# KiCad board washington-metro-pcb.kicad_pcb (continued)
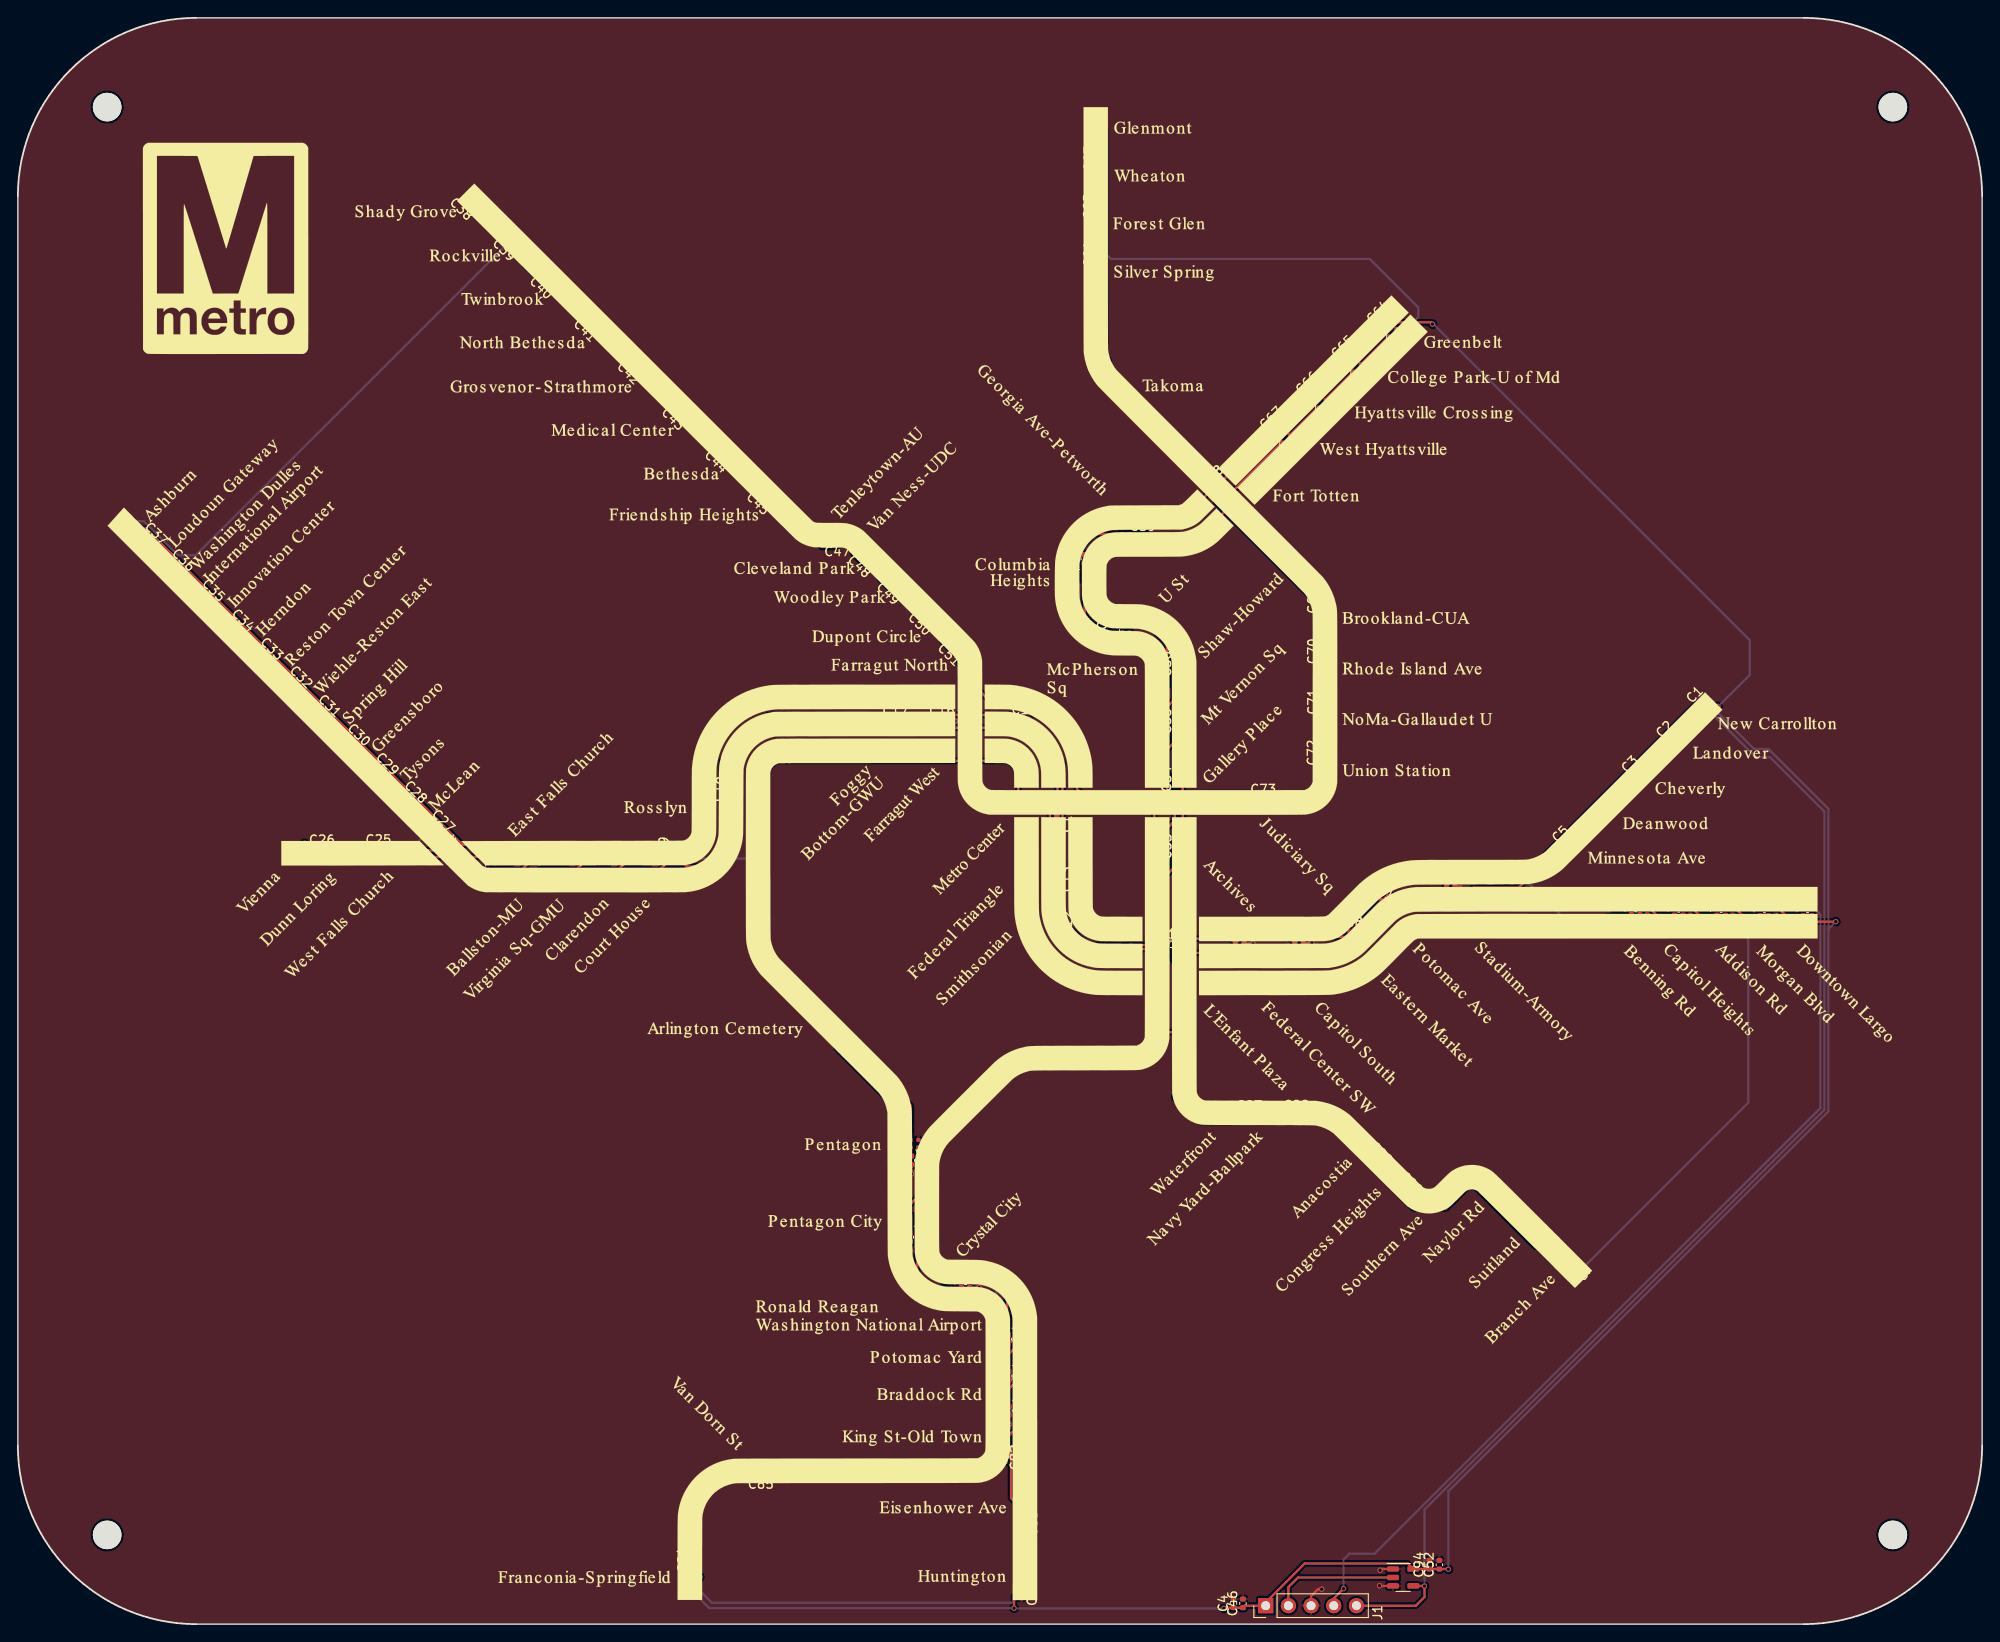
[diagram p0: board, top side]
## Nets
+5V: C1.1 C2.1 C3.1 C4.1 C5.1 C6.1 C7.1 C8.1 C9.1 C10.1 C11.1 C12.1 C13.1 C14.1 C15.1 C16.1 C17.1 C18.1 C19.1 C20.1 C21.1 C22.1 C23.1 C24.1 C25.1 C26.1 C27.1 C28.1 C29.1 C30.1 C31.1 C32.1 C33.1 C34.1 C35.1 C36.1 C37.1 C38.1 C39.1 C40.1 C41.1 C42.1 C43.1 C44.1 C45.1 C46.1 C47.1 C48.1 C49.1 C50.1 C51.1 C52.1 C53.1 C54.1 C55.1 C56.1 C57.1 C58.1 C59.1 C60.1 C61.1 C62.1 C63.1 C64.1 C65.1 C66.1 C67.1 C68.1 C69.1 C70.1 C71.1 C72.1 C73.1 C74.1 C75.1 C76.1 C77.1 C78.1 C79.1 C80.1 C81.1 C82.1 C83.1 C84.1 C85.1 C86.1 C87.1 C88.1 C89.1 C90.1 C91.1 C92.1 C93.1 C94.1 C95.1 C96.1 C97.1 C98.1 C99.1 CG.1 CR.1 J1.1 LED1.2 LED2.2 LED3.2 LED4.2 LED5.2 LED6.2 LED7.2 LED8.2 LED9.2 LED10.2 LED11.2 LED12.2 LED13.2 LED14.2 LED15.2 LED16.2 LED17.2 LED18.2 LED19.2 LED20.2 LED21.2 LED22.2 LED23.2 LED24.2 LED25.2 LED26.2 LED27.2 LED28.2 LED29.2 LED30.2 LED31.2 LED32.2 LED33.2 LED34.2 LED35.2 LED36.2 LED37.2 LED38.2 LED39.2 LED40.2 LED41.2 LED42.2 LED43.2 LED44.2 LED45.2 LED46.2 LED47.2 LED48.2 LED49.2 LED50.2 LED51.2 LED52.2 LED53.2 LED54.2 LED55.2 LED56.2 LED57.2 LED58.2 LED59.2 LED60.2 LED61.2 LED62.2 LED63.2 LED64.2 LED65.2 LED66.2 LED67.2 LED68.2 LED69.2 LED70.2 LED71.2 LED72.2 LED73.2 LED74.2 LED75.2 LED76.2 LED77.2 LED78.2 LED79.2 LED80.2 LED81.2 LED82.2 LED83.2 LED84.2 LED85.2 LED86.2 LED87.2 LED88.2 LED89.2 LED90.2 LED91.2 LED92.2 LED93.2 LED94.2 LED95.2 LED96.2 LED97.2 LED98.2 U1.5
GND: C1.2 C2.2 C3.2 C4.2 C5.2 C6.2 C7.2 C8.2 C9.2 C10.2 C11.2 C12.2 C13.2 C14.2 C15.2 C16.2 C17.2 C18.2 C19.2 C20.2 C21.2 C22.2 C23.2 C24.2 C25.2 C26.2 C27.2 C28.2 C29.2 C30.2 C31.2 C32.2 C33.2 C34.2 C35.2 C36.2 C37.2 C38.2 C39.2 C40.2 C41.2 C42.2 C43.2 C44.2 C45.2 C46.2 C47.2 C48.2 C49.2 C50.2 C51.2 C52.2 C53.2 C54.2 C55.2 C56.2 C57.2 C58.2 C59.2 C60.2 C61.2 C62.2 C63.2 C64.2 C65.2 C66.2 C67.2 C68.2 C69.2 C70.2 C71.2 C72.2 C73.2 C74.2 C75.2 C76.2 C77.2 C78.2 C79.2 C80.2 C81.2 C82.2 C83.2 C84.2 C85.2 C86.2 C87.2 C88.2 C89.2 C90.2 C91.2 C92.2 C93.2 C94.2 C95.2 C96.2 C97.2 C98.2 C99.2 CG.2 CR.2 J1.3 LED1.3 LED2.3 LED3.3 LED4.3 LED5.3 LED6.3 LED7.3 LED8.3 LED9.3 LED10.3 LED11.3 LED12.3 LED13.3 LED14.3 LED15.3 LED16.3 LED17.3 LED18.3 LED19.3 LED20.3 LED21.3 LED22.3 LED23.3 LED24.3 LED25.3 LED26.3 LED27.3 LED28.3 LED29.3 LED30.3 LED31.3 LED32.3 LED33.3 LED34.3 LED35.3 LED36.3 LED37.3 LED38.3 LED39.3 LED40.3 LED41.3 LED42.3 LED43.3 LED44.3 LED45.3 LED46.3 LED47.3 LED48.3 LED49.3 LED50.3 LED51.3 LED52.3 LED53.3 LED54.3 LED55.3 LED56.3 LED57.3 LED58.3 LED59.3 LED60.3 LED61.3 LED62.3 LED63.3 LED64.3 LED65.3 LED66.3 LED67.3 LED68.3 LED69.3 LED70.3 LED71.3 LED72.3 LED73.3 LED74.3 LED75.3 LED76.3 LED77.3 LED78.3 LED79.3 LED80.3 LED81.3 LED82.3 LED83.3 LED84.3 LED85.3 LED86.3 LED87.3 LED88.3 LED89.3 LED90.3 LED91.3 LED92.3 LED93.3 LED94.3 LED95.3 LED96.3 LED97.3 LED98.3 U1.1 U1.3
LED_IN: J1.2 U1.2
LED_OUT: J1.4 LED98.1
LED_ROW_ONE_IN: J1.5 LED1.4 U1.4
LED_ROW_ONE_OUT: LED30.1 LED31.4
LED_ROW_THREE_OUT: LED90.1 LED91.4
LED_ROW_TWO_OUT: LED60.1 LED61.4
Net-(LED1-DOUT): LED1.1 LED2.4
Net-(LED2-DOUT): LED2.1 LED3.4
Net-(LED3-DOUT): LED3.1 LED4.4
Net-(LED4-DOUT): LED4.1 LED5.4
Net-(LED5-DOUT): LED5.1 LED6.4
Net-(LED6-DOUT): LED6.1 LED7.4
Net-(LED7-DOUT): LED7.1 LED8.4
Net-(LED8-DOUT): LED8.1 LED9.4
Net-(LED10-DIN): LED9.1 LED10.4
Net-(LED10-DOUT): LED10.1 LED11.4
Net-(LED11-DOUT): LED11.1 LED12.4
Net-(LED12-DOUT): LED12.1 LED13.4
Net-(LED13-DOUT): LED13.1 LED14.4
Net-(LED14-DOUT): LED14.1 LED15.4
Net-(LED15-DOUT): LED15.1 LED16.4
Net-(LED16-DOUT): LED16.1 LED17.4
Net-(LED17-DOUT): LED17.1 LED18.4
Net-(LED18-DOUT): LED18.1 LED19.4
Net-(LED19-DOUT): LED19.1 LED20.4
Net-(LED20-DOUT): LED20.1 LED21.4
Net-(LED21-DOUT): LED21.1 LED22.4
Net-(LED22-DOUT): LED22.1 LED23.4
Net-(LED23-DOUT): LED23.1 LED24.4
Net-(LED24-DOUT): LED24.1 LED25.4
Net-(LED25-DOUT): LED25.1 LED26.4
Net-(LED26-DOUT): LED26.1 LED27.4
Net-(LED27-DOUT): LED27.1 LED28.4
Net-(LED28-DOUT): LED28.1 LED29.4
Net-(LED29-DOUT): LED29.1 LED30.4
Net-(LED31-DOUT): LED31.1 LED32.4
Net-(LED32-DOUT): LED32.1 LED33.4
Net-(LED33-DOUT): LED33.1 LED34.4
Net-(LED34-DOUT): LED34.1 LED35.4
Net-(LED35-DOUT): LED35.1 LED36.4
Net-(LED36-DOUT): LED36.1 LED37.4
Net-(LED37-DOUT): LED37.1 LED38.4
Net-(LED38-DOUT): LED38.1 LED39.4
Net-(LED39-DOUT): LED39.1 LED40.4
Net-(LED40-DOUT): LED40.1 LED41.4
Net-(LED41-DOUT): LED41.1 LED42.4
Net-(LED42-DOUT): LED42.1 LED43.4
Net-(LED43-DOUT): LED43.1 LED44.4
Net-(LED44-DOUT): LED44.1 LED45.4
Net-(LED45-DOUT): LED45.1 LED46.4
Net-(LED46-DOUT): LED46.1 LED47.4
Net-(LED47-DOUT): LED47.1 LED48.4
Net-(LED48-DOUT): LED48.1 LED49.4
Net-(LED49-DOUT): LED49.1 LED50.4
Net-(LED50-DOUT): LED50.1 LED51.4
Net-(LED51-DOUT): LED51.1 LED52.4
Net-(LED52-DOUT): LED52.1 LED53.4
Net-(LED53-DOUT): LED53.1 LED54.4
Net-(LED54-DOUT): LED54.1 LED55.4
Net-(LED55-DOUT): LED55.1 LED56.4
Net-(LED56-DOUT): LED56.1 LED57.4
Net-(LED57-DOUT): LED57.1 LED58.4
Net-(LED58-DOUT): LED58.1 LED59.4
Net-(LED59-DOUT): LED59.1 LED60.4
Net-(LED61-DOUT): LED61.1 LED62.4
Net-(LED62-DOUT): LED62.1 LED63.4
Net-(LED63-DOUT): LED63.1 LED64.4
Net-(LED64-DOUT): LED64.1 LED65.4
Net-(LED65-DOUT): LED65.1 LED66.4
Net-(LED66-DOUT): LED66.1 LED67.4
Net-(LED67-DOUT): LED67.1 LED68.4
Net-(LED68-DOUT): LED68.1 LED69.4
Net-(LED69-DOUT): LED69.1 LED70.4
Net-(LED70-DOUT): LED70.1 LED71.4
Net-(LED71-DOUT): LED71.1 LED72.4
Net-(LED72-DOUT): LED72.1 LED73.4
Net-(LED73-DOUT): LED73.1 LED74.4
Net-(LED74-DOUT): LED74.1 LED75.4
Net-(LED75-DOUT): LED75.1 LED76.4
Net-(LED76-DOUT): LED76.1 LED77.4
Net-(LED77-DOUT): LED77.1 LED78.4
Net-(LED78-DOUT): LED78.1 LED79.4
Net-(LED79-DOUT): LED79.1 LED80.4
Net-(LED80-DOUT): LED80.1 LED81.4
Net-(LED81-DOUT): LED81.1 LED82.4
Net-(LED82-DOUT): LED82.1 LED83.4
Net-(LED83-DOUT): LED83.1 LED84.4
Net-(LED84-DOUT): LED84.1 LED85.4
Net-(LED85-DOUT): LED85.1 LED86.4
Net-(LED86-DOUT): LED86.1 LED87.4
Net-(LED87-DOUT): LED87.1 LED88.4
Net-(LED88-DOUT): LED88.1 LED89.4
Net-(LED89-DOUT): LED89.1 LED90.4
Net-(LED91-DOUT): LED91.1 LED92.4
Net-(LED92-DOUT): LED92.1 LED93.4
Net-(LED93-DOUT): LED93.1 LED94.4
Net-(LED94-DOUT): LED94.1 LED95.4
Net-(LED95-DOUT): LED95.1 LED96.4
Net-(LED96-DOUT): LED96.1 LED97.4
Net-(LED97-DOUT): LED97.1 LED98.4

## Via types
v1: diameter 0.6, hole 0.4, Top to Bottom, 120 vias

## Routing (per net, layer and track width the routed paths; a pad name or vN(x,y) marks a point on that pad's centre or on a via; arc(x,y) is an arc through that point)
+5V: length 1243.5
  Top w0.25: 99.3,44.3 99.86,44.87 99.95,44.78 C77.1 ; 99.3,44.3 99.3,39.34 101.62,37.01 106.25,37.01 106.29,37.06 ; 99.3,44.3 99.3,52.7 ; LED12.2 116.47,79.05 C12.1 117.03,79.59 ; C64.1 152.82,145.88 158.25,145.88 v1(158.45,145.68) ; C64.1 153.54,145.15 LED64.2 ; C64.1 151.72,145.88 148.93,143.09 ; 110.23,25.17 110.23,30.77 110.22,30.78 110.22,32.88 110.28,32.93 ; 110.23,25.17 110.28,25.12 110.28,19.43 C82.1 ; 110.23,25.17 C81.1 111,25.21 LED80.2 ; 137.06,56.26 142.33,56.26 ; 137.06,56.26 LED86.2 137.34,56.86 C87.1 ; 137.06,56.26 132.46,56.26 v1(129.7,59.02) ; 142.33,56.26 LED87.2 142.62,56.89 C88.1 ; 142.33,56.26 147.28,56.26 LED88.2 ; C72.1 146.03,97.09 LED72.2 145.47,96.8 ; C59.1 124.82,121.86 LED58.2 125.45,121.22 ; 160.54,47.15 160,46.59 156.29,46.59 153.53,49.35 ; 160.54,47.15 161.13,47.73 161.13,47.74 162.37,48.97 163.28,48.97 165.64,46.61 ; 160.54,47.15 159.16,47.15 159.65,47.15 C91.1 ; 84.11,16.22 79.03,16.22 76.25,13.44 76.25,6.38 LED84.2 ; 84.11,16.22 LED85.2 84.57,16.85 C85.1 ; 84.11,16.22 107.56,16.22 110.52,19.18 C82.1 ; 194.74,78.72 189.91,78.72 ; 194.74,78.72 199.31,78.72 ; 194.74,78.72 194.18,79.28 194.16,79.28 ; 194.74,78.72 195.13,79.11 C98.1 ; 189.91,78.72 189.32,79.32 LED96.2 ; 189.91,78.72 190.29,79.11 C97.1 ; 189.91,78.72 185.13,78.72 ; 130.47,77.95 130.13,77.95 v1(129.78,78.3) ; 130.47,77.95 129.34,76.81 ; 130.47,77.95 130.47,86.62 ; 110.67,101.89 111.69,101.89 C15.1 112.25,101.32 117,96.58 117,91.25 ; 110.67,101.89 LED15.2 ; 110.67,101.89 105.54,101.89 ; 78.85,91.45 78.85,96.72 84.01,101.88 96.3,101.88 ; 78.85,91.45 78.85,87.19 76.57,84.91 74.94,84.91 C19.1 ; 78.85,91.45 LED18.2 79.52,93.09 C18.1 ; C8.1 149.19,77.52 LED8.2 ; C8.1 148.7,77.02 143.7,77.02 143.01,76.33 C9.1 ; C8.1 149.2,77.53 152.7,81.03 C7.1 ; 106.29,37.06 106.02,37.33 106.02,37.34 C78.1 105.53,37.56 LED77.2 ; 106.29,37.06 108.95,37.06 110.22,35.79 110.22,32.98 110.28,32.93 ; 116.44,84.94 116.44,84.08 C13.1 117,84.62 ; LED9.2 143.03,76.31 C9.1 ; 178.84,93.97 179.06,94.2 LED3.2 ; 178.84,93.97 179.98,95.12 ; 178.84,93.97 175.94,91.08 ; 43.36,93.76 46.5,90.62 ; 43.36,93.76 43.28,93.83 42.16,93.83 42.35,93.83 C28.1 ; 43.36,93.76 40.32,96.8 ; 46.5,90.62 C27.1 45.44,90.61 LED27.2 ; 46.5,90.62 49.78,87.33 49.79,87.33 ; 135.2,124.71 134.22,125.7 C68.1 ; 135.2,124.71 131.72,121.22 125.45,121.22 ; 135.2,124.71 145.72,114.2 C69.1 145.47,113.52 ; 174.99,90.13 175.15,90.28 175.96,90.28 ; 174.99,90.13 172,87.14 ; 174.99,90.13 175.94,91.08 ; 112.5,11.82 111.86,11.18 ; 111.86,11.18 111.76,11.27 111.76,13.59 111.23,14.12 111.23,19.72 LED81.2 110.83,19.49 C82.1 ; 111.86,11.18 111.75,11.07 111.75,4.65 C74.1 ; 145.02,139.18 140.88,135.05 ; 145.02,139.18 148.93,143.09 ; 145.02,139.18 144.87,139.03 144.87,137.97 C66.1 145.62,137.21 LED66.2 ; 140.88,135.05 134.17,128.33 ; 140.88,135.05 140.83,134.99 140.83,134.02 C67.1 141.58,133.26 LED67.2 ; LED56.2 123.28,112.36 122.84,112.36 ; 134.17,128.33 134.17,128.63 123.31,139.5 ; 134.17,128.33 134.17,127.5 C68.1 ; C32.1 29.43,106.8 LED32.2 30.32,106.8 30.7,106.42 ; C61.1 121.2,152.94 LED60.2 121.78,152.65 ; v1(190.4,102.84) 188.45,102.84 C1.1 187.87,103.01 186.88,102.02 ; 130.45,100.61 130.46,100.61 130.46,93.41 ; 130.45,100.61 129.57,99.73 129.57,100.47 C55.1 ; 130.45,100.61 130.45,107.05 ; C37.1 13.31,122.75 LED37.2 14.37,122.75 17.36,119.76 ; 172,87.14 168.14,83.28 ; 172,87.14 LED5.2 ; 172,87.14 172.24,87.38 C5.1 ; 168.14,83.28 168.14,84.13 v1(168.06,84.21) ; 168.14,83.28 161.3,83.28 161.29,83.28 160.63,83.28 160,82.66 C6.1 ; 105.54,101.89 102.39,101.89 102.38,101.88 ; 105.54,101.89 106.28,102.63 LED51.2 105.47,107.61 C51.1 105.46,109.11 104.58,109.11 103.54,110.14 LED50.2 102.16,112.46 C50.1 102.15,112.54 101.27,112.54 100.03,113.78 100.03,114.5 98.62,115.91 C49.1 98.61,115.97 97.73,115.97 96.55,117.15 LED48.2 95.55,119 C48.1 95.35,118.96 94.53,118.96 93.61,119.89 93.61,120.92 93.18,121.35 C47.1 92.25,121.34 91.62,120.72 90.03,120.72 LED46.2 88.42,121.58 87.92,122.08 CG.1 87.91,122.11 87.03,122.11 85.86,123.28 LED45.2 85.86,123.98 84.04,125.8 C45.1 83.95,125.96 83.23,125.96 81.25,127.94 LED44.2 79.35,130.45 C44.1 79.34,130.75 78.46,130.75 76.36,132.84 76.36,133.45 74.53,135.29 C43.1 74.52,135.53 73.64,135.53 71.48,137.68 71.48,138.34 69.56,140.27 C42.1 69.55,140.66 68.67,140.66 66.58,142.75 LED41.2 64.68,145.13 C41.1 64.67,145.44 63.79,145.44 61.66,147.56 61.66,148.12 59.75,150.04 C40.1 59.74,150.22 58.86,150.22 56.8,152.28 LED39.2 55.61,154.2 C39.1 55.6,154.48 54.72,154.48 51.88,157.32 LED38.2 50.83,158.95 C38.1 ; 199.31,78.72 C99.1 199.88,79.3 LED98.2 ; 199.31,78.72 203.6,78.72 v1(203.61,78.72) ; 110.28,32.93 LED78.2 110.91,33.33 C79.1 ; C19.1 74.11,85.73 v1(75.22,85.73) ; C19.1 73.5,86.33 LED19.2 ; C19.1 73.42,86.25 70.47,86.25 ; LED6.2 160,82.64 C6.1 ; 39.16,87.39 44.66,87.39 45.34,86.7 C24.1 47.37,86.71 48,87.33 49.79,87.33 ; 39.16,87.39 33.12,87.39 LED26.2 33.51,86.8 C26.1 ; 39.16,87.39 38.87,87.09 LED25.2 39.83,86.83 C25.1 ; C10.1 136.37,76.27 137,76.89 142.44,76.89 C9.1 ; C10.1 135.81,76.81 129.34,76.81 ; C10.1 136.4,76.23 136.4,75.28 ; C68.1 134.22,127.39 LED68.2 ; 170.21,42.29 169.95,42.29 165.64,46.61 ; 170.21,42.29 172.07,40.43 LED93.2 172.82,40.1 C86.1 ; 170.21,42.29 170.21,43.18 C93.1 170.06,43.19 LED92.2 ; 122.84,112.36 121.35,112.36 120.1,113.61 120.1,117.75 119.94,117.91 LED57.2 119.48,118.92 121.78,121.22 125.45,121.22 ; 122.84,112.36 C57.1 122.8,112.53 126.67,112.53 130.45,108.76 130.45,107.05 ; 182.91,98.05 179.98,95.12 ; 182.91,98.05 182.98,98.11 LED2.2 ; 182.91,98.05 183.87,99.01 ; 179.98,95.12 180.06,95.2 C3.1 ; 145.47,113.52 145.81,113.52 LED69.2 ; 145.47,113.52 145.47,108.11 ; C2.1 183.99,99.13 183.87,99.01 ; 129.34,76.81 128.62,76.1 119.69,76.1 117.03,78.77 117.03,79.59 ; 129.34,76.81 128.71,76.19 C11.1 128.72,76.17 LED11.2 ; LED88.2 151.24,52.3 C89.1 ; LED88.2 150.27,52.62 153.53,49.35 ; 110.84,29.28 110.97,29.15 C80.1 110.28,29 ; 148.93,143.09 148.84,143 148.84,141.99 C65.1 149.56,141.26 LED65.2 ; 37.16,99.96 40.32,96.8 ; 37.16,99.96 36.77,100.34 LED30.2 35.88,100.34 C30.1 ; 37.16,99.96 33.84,103.28 ; 40.32,96.8 40.06,97.06 38.95,97.06 39.09,97.06 C29.1 ; C74.1 112.42,3.97 111.57,3.12 v1(111.57,1.79) ; C74.1 112.43,4.88 LED83.2 ; 27.43,109.69 27.16,109.95 LED33.2 26.16,109.95 C33.1 ; 27.43,109.69 30.7,106.42 ; 27.43,109.69 24.22,112.9 ; C90.1 154.61,48.96 LED89.2 153.53,49.35 ; 30.7,106.42 33.84,103.28 ; 180.32,78.72 180.06,78.45 177.19,78.45 v1(176.78,78.87) ; 180.32,78.72 185.13,78.72 ; 180.32,78.72 179.72,79.33 ; 180.32,78.72 180.71,79.11 C95.1 ; 70.47,86.25 69.84,85.62 C20.1 69.53,85.3 LED20.2 ; 70.47,86.25 65.88,86.25 ; 186.88,102.02 183.87,99.01 ; 186.88,102.02 187.72,102.02 LED1.2 ; C35.1 19.38,116.78 19.2,116.78 20.34,116.78 20.6,116.51 ; 65.88,86.25 65.23,85.6 C21.1 64.94,85.31 LED21.2 ; 65.88,86.25 55.16,86.25 54.51,85.6 C23.1 54.18,85.26 LED23.2 ; 138.57,93.03 138,92.47 138.94,92.47 C73.1 ; 138.57,93.03 144.79,93.03 145.47,93.72 145.47,96.8 ; 138.57,93.03 138.49,93.12 130.74,93.12 130.47,93.39 ; 96.3,101.88 LED17.2 97,101.17 C17.1 ; 96.3,101.88 102.38,101.88 ; 102.38,101.88 C16.1 102.11,101.23 LED16.2 ; LED59.2 123.31,139.5 ; 123.31,139.5 C60.1 122.13,140.68 122.13,141.68 121.78,142.03 121.78,152.65 ; 185.13,78.72 185.13,79.03 C96.1 ; 185.13,78.72 184.54,79.31 184.54,79.31 ; 130.45,107.05 LED55.2 129.81,106.41 C56.1 ; 130.47,93.39 130.47,86.62 ; 130.47,93.39 130.46,93.41 ; LED14.2 116.44,90.69 C14.1 117,91.25 ; 17.36,119.76 17.21,119.91 LED36.2 16.25,119.91 C36.1 ; 17.36,119.76 20.6,116.51 ; CR.1 176.11,91.25 175.94,91.08 ; 165.64,46.61 164.91,47.34 LED91.2 166.03,47.08 C92.1 ; LED63.2 121.78,167.62 121.78,163.53 ; 145.47,102.48 145.47,96.8 ; 145.47,102.48 LED71.2 146.17,102.03 C71.1 ; 145.47,102.48 145.47,108.11 ; 24.22,112.9 23.97,113.15 LED34.2 22.94,113.15 C34.1 ; 24.22,112.9 20.6,116.51 ; 130.46,94.84 129.83,94.21 C54.1 ; 33.84,103.28 33.59,103.53 32.47,103.53 32.66,103.53 C31.1 ; 49.79,87.33 51.42,87.33 53.49,85.27 ; LED84.2 75.89,5.78 v1(76.38,5.28) ; LED84.2 75.64,6.71 C84.1 ; C70.1 146.03,108.41 LED70.2 146.02,107.56 145.47,108.11 ; 152.78,80.06 152.78,81.03 C7.1 ; 117,91.25 117,84.62 ; 117,84.62 117.03,84.59 117.03,79.59 ; 121.78,157.98 121.78,163.53 ; 121.78,157.98 121.21,157.41 LED61.2 121.19,158.28 C62.1 ; 121.78,157.98 121.78,152.65 ; 121.78,163.53 121.78,163.35 LED62.2 121.22,163.67 C63.1 ; 130.46,93.41 LED53.2 ; v1(135.07,1.77) 135.15,1.85 C4.1 C46.1 137.43,2.07 J1.1 139.76,2.43 144.13,6.81 155.66,6.81 U1.5 C94.1 C52.1 160.19,6.18 v1(160.22,6.15) ; 99.3,52.7 LED75.2 100.01,52.52 C76.1 ; 99.3,52.7 99.3,56.94 91.73,64.51 91.73,65.46 C75.1 91.67,65.47 LED74.2 82.5,74.64 v1(82.5,85.79) ; C7.1 152.78,81.04 153.41,81.67 154.07,81.67 154.08,81.66 159.01,81.66 C6.1 ; C53.1 129.56,86.39 LED52.2 130.47,86.62 ; LED82.2 112.36,11.88 ; LED22.2 60.27,85.33 C22.1 60.51,85.59 61.17,86.25 61.33,86.25
  Bottom w0.25: v1(176.78,78.87) 173.39,78.87 168.06,84.2 ; 202.78,77.77 202.78,57.45 197.72,52.39 197.72,52.38 160.22,14.88 v1(160.22,6.15) ; 202.78,77.77 202.78,91.36 196.07,98.07 194.46,98.07 190.4,102.14 v1(190.4,102.84) 190.45,102.84 193.97,106.36 193.97,110.26 158.55,145.68 v1(158.45,145.68) ; 202.78,77.77 202.78,77.89 v1(203.61,78.72) ; v1(75.22,85.73) 75.28,85.79 82.9,85.79 ; v1(76.38,5.28) 75.47,4.38 75.47,3.76 77.45,1.79 v1(111.57,1.79) 111.6,1.76 135.06,1.76 v1(135.07,1.77) ; v1(129.7,59.02) 129.69,59.03 129.69,78.21 v1(129.78,78.3)
GND: length 92.6
  Top w0.25: C98.2 196.95,79.36 v1(196.96,79.35) ; v1(35.24,100.99) 34.49,101.74 C31.2 ; v1(54.22,155.85) 54.92,155.16 C39.2 ; C17.2 99.74,101.17 v1(99.75,101.18) ; v1(154.75,81.02) 154.74,81.03 C7.2 ; C87.2 139.25,56.95 v1(139.26,56.94) ; C77.2 99.95,41.91 v1(99.99,41.87) ; v1(77.99,132.13) 78.67,131.44 C44.2 ; v1(152.77,51) 152.2,51.57 C89.2 ; v1(67,85.58) 66.99,85.59 C21.2 ; v1(142.26,135.45) 141.51,134.7 C67.2 ; C40.2 59.07,150.91 v1(58.35,151.63) ; U1.1 152.71,6.18 v1(152.57,6.04) ; C65.2 149.53,142.66 v1(150.24,143.37) ; v1(121.15,165.77) 121.13,165.75 C63.2 ; C43.2 73.85,136.22 v1(73.15,136.92) ; v1(150.93,78.27) 150.18,77.52 C8.2 ; C60.2 121.15,141.65 v1(121.15,142.4) ; C14.2 116.36,88.62 v1(116.37,88.61) ; C41.2 64,146.13 v1(63.27,146.86) ; C47.2 91.29,121.8 v1(91.64,122.16) ; C84.2 v1(75.61,8.72) ; C18.2 v1(79.52,95.07) ; C5.2 173.92,88.1 v1(174.55,88.73) ; v1(104.97,101.2) 104.94,101.23 C16.2 ; v1(116.34,82.01) 116.32,82.03 C13.2 ; C20.2 71.65,85.61 v1(71.67,85.59) ; C56.2 129.81,108.51 v1(129.42,108.91) ; C75.2 v1(93.2,64) ; U1.3 152.54,4.28 v1(152.51,4.31) ; v1(44.88,91.35) 44.14,92.09 C28.2 ; v1(95.65,120.01) 95.32,119.68 C48.2 ; C49.2 97.93,116.65 v1(97.33,117.25) ; C70.2 146.16,110.51 v1(146.18,110.53) ; C36.2 18.14,118.09 v1(18.78,117.46) ; C55.2 129.81,102.71 v1(129.8,102.72) ; v1(107.65,37.73) 107.61,37.69 C78.2 ; v1(87.75,123.35) 87.75,123.3 CG.2 ; v1(56.51,85.58) 56.5,85.59 C23.2 ; C45.2 83.36,126.74 v1(82.65,127.46) ; C32.2 31.27,104.96 v1(31.99,104.24) ; C72.2 v1(146.12,99.16) ; v1(25.51,110.72) 24.9,111.33 C34.2 ; v1(111.01,22.39) 111,22.4 C81.2 ; C88.2 144.68,56.98 v1(144.69,56.97) ; C96.2 187.3,79.43 v1(187.32,79.41) ; C59.2 127.45,121.86 v1(127.51,121.92) ; C71.2 146.17,104.77 v1(146.13,104.81) ; C91.2 160.93,48.42 v1(161.7,49.19) ; v1(135.74,128.95) 134.92,128.13 C68.2 ; J1.3 144.84,3.14 145.62,3.92 v1(146.03,3.92) ; v1(167.44,45.69) 166.76,46.37 C92.2 ; v1(111.68,27.82) 111.2,27.35 C80.2 ; C9.2 144.91,76.32 v1(144.94,76.35) ; C97.2 192.02,79.41 v1(192.08,79.35) ; C6.2 161.6,82.65 v1(161.95,82.3) ; C53.2 129.84,88.63 v1(129.85,88.64) ; C85.2 81.76,16.85 v1(81.73,16.88) ; v1(62.47,85.59) 62.46,85.58 C22.2 ; C69.2 146.11,115.16 v1(145.37,115.9) ; C29.2 40.99,95.24 v1(41.72,94.51) ; C79.2 111.06,31.47 v1(111.72,32.13) ; v1(171.58,41.8) 170.89,42.49 C93.2 ; C2.2 185.62,99.81 v1(186.36,100.55) ; C58.2 119.47,119.85 v1(120.33,120.71) ; v1(121.08,160.38) 121.06,160.36 C62.2 ; C24.2 49.45,86.7 v1(49.5,86.65) ; C37.2 15.18,121.05 v1(15.68,120.56) ; v1(182.38,96.59) 181.69,95.9 C3.2 ; v1(35.52,86.71) 35.51,86.72 C26.2 ; C73.2 141.13,92.4 v1(141.14,92.39) ; v1(100.9,113.78) 101.47,113.22 C50.2 ; v1(41.9,86.72) 41.87,86.75 C25.2 ; C76.2 v1(100.08,50.46) ; C51.2 104.78,109.79 v1(104.21,110.36) ; C10.2 138.33,76.26 v1(138.35,76.24) ; C83.2 112.49,9.89 v1(112.56,9.82) ; C30.2 37.74,98.49 v1(38.47,97.77) ; v1(129.83,96.24) 129.82,96.23 C54.2 ; C66.2 v1(146.3,139.39) ; v1(178.43,92.62) 177.83,92.02 CR.2 ; v1(68.18,142.05) 68.88,141.35 C42.2 ; v1(156.37,47.5) 155.59,48.28 C90.2 ; v1(182.52,79.45) 182.5,79.47 C95.2 ; v1(28.67,107.56) 28.09,108.14 C33.2 ; v1(117.37,77.53) 116.9,78.01 C12.2 ; C61.2 121.1,154.97 v1(121.08,154.99) ; v1(22.15,114.04) 21.49,114.7 C35.2 ; C11.2 v1(130.7,76.18)
LED_IN: length 14.2
  Top w0.25: U1.2 143.38,5.23 142.3,4.15 J1.2
LED_OUT: length 105
  Top w0.25: v1(148.48,3.98) 147.38,2.88 J1.4 ; LED98.1 200.91,80.14 v1(201.08,80.31)
  Bottom w0.25: v1(201.08,80.31) 201.88,79.51 201.88,57.82 151.96,7.9 149.13,7.9 148.48,7.25 v1(148.48,3.98)
LED_ROW_ONE_IN: length 134.2
  Top w0.25: U1.4 157.52,4.28 v1(157.54,4.26) 157.54,3.04 156.57,2.07 J1.5 ; v1(189.77,102.02) 189.76,102.02 LED1.4
  Bottom w0.25: v1(157.54,4.26) 157.54,12.84 197.27,52.57 197.27,52.58 202.33,57.64 202.33,91.07 196.24,97.16 194.63,97.16 v1(189.77,102.02)
LED_ROW_ONE_OUT: length 3.3
  Top w0.25: 32.47,102.67 34.8,100.34 LED30.1
LED_ROW_THREE_OUT: length 7.2
  Top w0.25: 159.16,48 159.53,48 161.82,50.28 163.68,50.28 LED91.4
LED_ROW_TWO_OUT: length 5
  Top w0.25: LED61.4 120.16,155.54 120.16,152.27 LED60.1
Net-(LED1-DOUT): length 4.4
  Top w0.25: LED2.4 184.81,98.11 187.72,101.03 LED1.1
Net-(LED2-DOUT): length 4.5
  Top w0.25: 180.72,94.2 180.98,94.2 183.78,97.01 LED2.1
Net-(LED3-DOUT): length 4.5
  Top w0.25: LED3.1 179.88,93.04 177.12,90.28 LED4.4
Net-(LED4-DOUT): length 4.5
  Top w0.25: LED5.4 173.19,86.38 175.96,89.14 175.96,89.44
Net-(LED5-DOUT): length 12.7
  Top w0.25: LED6.4 162.21,81.67 163.06,82.53 168.09,82.53 171.09,85.53 LED5.1
Net-(LED6-DOUT): length 6.7
  Top w0.25: 153.62,80.06 154.78,80.06 155.56,80.83 LED6.1
Net-(LED7-DOUT): length 3.9
  Top w0.25: 150.04,76.53 150.13,76.53 152.78,79.17 152.78,79.2
Net-(LED8-DOUT): length 5.5
  Top w0.25: LED8.1 149.19,75.68 145.23,75.68 144.88,75.33 LED9.4
Net-(LED10-DIN): length 6.1
  Top w0.25: LED9.1 142.24,75.27 137.26,75.27 LED10.4
Net-(LED10-DOUT): length 7.1
  Top w0.25: 129.57,75.22 129.58,75.22 135.61,75.22 136.4,74.44
Net-(LED11-DOUT): length 16.7
  Top w0.25: LED12.4 115.62,77.82 117.79,75.65 127.44,75.65 128.72,74.36
Net-(LED12-DOUT): length 4.5
  Top w0.25: 115.59,84.94 115.59,81.69 LED12.1
Net-(LED13-DOUT): length 6.2
  Top w0.25: LED13.1 115.59,86.64 LED14.4
Net-(LED14-DOUT): length 10.7
  Top w0.25: LED15.4 112.14,100.48 116.44,96.19 116.44,92.5
Net-(LED15-DOUT): length 8.7
  Top w0.25: LED15.1 109.5,100.45 LED16.4
Net-(LED16-DOUT): length 4.7
  Top w0.25: LED16.1 100.36,100.47 LED17.4
Net-(LED17-DOUT): length 22.7
  Top w0.25: LED17.1 84.09,101.33 80.36,97.59 LED18.4
Net-(LED18-DOUT): length 11.2
  Top w0.25: LED19.4 76.75,84.45 79.52,87.22 LED18.1
Net-(LED19-DOUT): length 4.2
  Top w0.25: LED20.4 71.8,84.45 LED19.1
Net-(LED20-DOUT): length 4.2
  Top w0.25: LED21.4 67.13,84.45 LED20.1
Net-(LED21-DOUT): length 4.1
  Top w0.25: LED22.4 62.49,84.48 LED21.1
Net-(LED22-DOUT): length 5.5
  Top w0.25: LED23.4 56.31,84.41 57.23,85.33 LED22.1
Net-(LED23-DOUT): length 7.7
  Top w0.25: LED23.1 51.92,85.97 45.22,85.97
Net-(LED24-DOUT): length 5.8
  Top w0.25: LED24.1 42.92,86.83 42.08,85.98 LED25.4
Net-(LED25-DOUT): length 5.9
  Top w0.25: LED25.1 36.59,86.83 35.7,85.94 32.53,85.94
Net-(LED26-DOUT): length 16.4
  Top w0.25: LED26.1 31.68,87.06 v1(32.12,87.5) ; v1(45.91,88.74) 45.91,89.2 LED27.4
  Bottom w0.25: v1(45.91,88.74) 44.67,87.5 v1(32.12,87.5)
Net-(LED27-DOUT): length 3.4
  Top w0.25: LED27.1 44.51,90.64 42.16,92.98
Net-(LED28-DOUT): length 3.3
  Top w0.25: LED29.4 41.3,93.86 LED28.1
Net-(LED29-DOUT): length 3.4
  Top w0.25: LED30.4 35.68,99.48 38.1,97.06
Net-(LED31-DOUT): length 3.5
  Top w0.25: LED31.1 29.2,105.94 29.16,105.94
Net-(LED32-DOUT): length 3.3
  Top w0.25: LED32.1 28.23,106.8 LED33.4
Net-(LED33-DOUT): length 3.3
  Top w0.25: LED34.4 22.76,112.27 LED33.1
Net-(LED34-DOUT): length 3.9
  Top w0.25: LED34.1 21.91,113.22 19.2,115.92
Net-(LED35-DOUT): length 3.2
  Top w0.25: LED36.4 LED35.1
Net-(LED36-DOUT): length 2.9
  Top w0.25: LED37.4 15.18,119.91 LED36.1
Net-(LED37-DOUT): length 67
  Top w0.25: LED37.1 12.33,123.21 v1(12.72,123.6) ; LED38.4 51.89,158.77 v1(51.89,159.79)
  Bottom w0.25: v1(12.72,123.6) 14.11,123.6 17.94,119.77 19.91,119.77 55.43,155.29 55.43,156.25 v1(51.89,159.79)
Net-(LED38-DOUT): length 5.9
  Top w0.25: LED38.1 53.08,157.91 56.8,154.19 56.8,153.87
Net-(LED39-DOUT): length 5.8
  Top w0.25: LED39.1 57.85,153.01 61.66,149.2 61.66,148.97
Net-(LED40-DOUT): length 5.9
  Top w0.25: LED41.4 66.58,144.44 62.89,148.12 LED40.1
Net-(LED41-DOUT): length 6
  Top w0.25: LED41.1 67.88,143.24 71.48,139.63 LED42.4
Net-(LED42-DOUT): length 5.9
  Top w0.25: 76.36,134.31 76.36,134.59 72.61,138.34 72.33,138.34
Net-(LED43-DOUT): length 5.9
  Top w0.25: 81.25,129.4 81.25,129.74 77.54,133.45 LED43.1
Net-(LED44-DOUT): length 5.5
  Top w0.25: LED45.4 85.86,125.13 82.44,128.55 LED44.1
Net-(LED45-DOUT): length 3.3
  Top w0.25: LED46.4 88.38,123.22 88.38,123.61 88.01,123.97 LED45.1
Net-(LED46-DOUT): length 4.5
  Top w0.25: LED46.1 90.18,121.58 91.39,122.78 92.6,122.78 LED47.4
Net-(LED47-DOUT): length 3.7
  Top w0.25: 94.45,120.92 95.77,120.92 96.55,120.15 LED48.4
Net-(LED48-DOUT): length 3.8
  Top w0.25: LED49.4 100.03,115.46 97.48,118 LED48.1
Net-(LED49-DOUT): length 3.8
  Top w0.25: 100.88,114.5 101.09,114.5 103.54,112.06 LED50.4
Net-(LED50-DOUT): length 4.2
  Top w0.25: LED51.4 106.28,109.19 104.4,111.08 LED50.1
Net-(LED51-DOUT): length 40.4
  Top w0.25: 107.14,106.8 107.14,105.16 108.55,103.74 113.49,103.74 118.62,98.61 118.62,93.6 120.15,92.07 126.85,92.07 127.29,91.63 127.29,84.17 128.87,84.17 129.56,84.86
Net-(LED52-DOUT): length 6.3
  Top w0.25: 128.72,85.72 128.72,89.17 129.57,90.03 LED53.4
Net-(LED53-DOUT): length 6.7
  Top w0.25: LED53.1 128.72,98.03 129.57,98.89
Net-(LED54-DOUT): length 5.9
  Top w0.25: LED55.4 129.56,103.64 128.72,102.81 LED54.1
Net-(LED55-DOUT): length 8.8
  Top w0.25: 128.71,106.16 128.71,109.86 126.58,111.98 LED56.4
Net-(LED56-DOUT): length 9.2
  Top w0.25: LED57.4 119.48,112.67 121.02,111.14 LED56.1
Net-(LED57-DOUT): length 8.2
  Top w0.25: LED58.4 120.55,122.16 118.63,120.24 LED57.1
Net-(LED58-DOUT): length 26.6
  Top w0.25: LED59.4 123.75,138.41 133.54,128.63 133.54,126.96 129.61,123.03 124.55,123.03 LED58.1
Net-(LED59-DOUT): length 13
  Top w0.25: LED59.1 120.52,141.2 120.52,142.65 121.2,143.33 LED60.4
Net-(LED61-DOUT): length 4.9
  Top w0.25: LED61.1 120.33,160.8 121.22,161.68 LED62.4
Net-(LED62-DOUT): length 4.9
  Top w0.25: LED63.4 120.41,166.51 120.41,162.84 LED62.1
Net-(LED63-DOUT): length 58.9
  Top w0.25: v1(121.53,169.13) 121.33,169.13 LED63.1 ; v1(155.45,145.06) 154.48,145.06 LED64.4
  Bottom w0.25: v1(121.53,169.13) 121.53,166.27 121.78,166.03 121.78,153.62 122.42,152.98 151.42,152.98 156.84,147.56 156.84,146.45 v1(155.45,145.06)
Net-(LED64-DOUT): length 4.4
  Top w0.25: LED65.4 150.46,141.2 LED64.1
Net-(LED65-DOUT): length 4.4
  Top w0.25: LED66.4 146.47,137.26 LED65.1
Net-(LED66-DOUT): length 4.4
  Top w0.25: LED67.4 145.53,136.34 LED66.1
Net-(LED67-DOUT): length 8.2
  Top w0.25: LED67.1 141.52,132.41 135.78,126.67
Net-(LED68-DOUT): length 18.4
  Top w0.25: LED69.4 146.93,115.36 145.67,116.62 144.14,116.62 LED68.1
Net-(LED69-DOUT): length 5.2
  Top w0.25: LED70.4 146.88,110.78 146.07,111.58 LED69.1
Net-(LED70-DOUT): length 5.2
  Top w0.25: LED70.1 146.03,105.86 146.9,104.98 LED71.4
Net-(LED71-DOUT): length 5.2
  Top w0.25: LED71.1 146.05,100.13 146.88,99.3 146.88,96.23
Net-(LED72-DOUT): length 10.6
  Top w0.25: 138,91.61 144,91.61 146.03,93.64 LED72.1
Net-(LED73-DOUT): length 88.5
  Top w0.25: v1(136.11,92.5) 137.12,92.5 LED73.1 ; v1(112.49,92.46) 112.15,92.46 112.05,92.56 112.05,95.65 110.95,96.75 84.88,96.75 83.94,95.81 83.94,75.15 90.66,68.44 LED74.4
  Bottom w0.25: v1(112.49,92.46) 136.07,92.46 v1(136.11,92.5)
Net-(LED74-DOUT): length 15.8
  Top w0.25: LED74.1 91.61,66.48 100.01,58.09 LED75.4
Net-(LED75-DOUT): length 8.1
  Top w0.25: 99.86,45.72 99.86,46.97 100.86,47.96 LED75.1
Net-(LED76-DOUT): length 9.8
  Top w0.25: LED76.1 100.72,38.56 101.71,37.56 LED77.4
Net-(LED77-DOUT): length 9.3
  Top w0.25: LED78.4 110.8,36.81 109.19,38.41 LED77.1
Net-(LED78-DOUT): length 4.2
  Top w0.25: LED78.1 112.34,32.75 112.34,31.62 LED79.4
Net-(LED79-DOUT): length 4
  Top w0.25: LED80.4 111.83,27.2 111.94,27.2 112.3,27.57 112.3,28.67 111.69,29.28
Net-(LED80-DOUT): length 4.7
  Top w0.25: LED80.1 111.69,21.84 LED81.4
Net-(LED81-DOUT): length 6.8
  Top w0.25: LED81.1 111.69,14.31 LED82.4
Net-(LED82-DOUT): length 7.3
  Top w0.25: LED82.1 113.2,8.4 112.38,7.56 112.38,5.78
Net-(LED83-DOUT): length 40.9
  Top w0.25: LED83.1 113.52,4.64 v1(113.52,3.99) ; LED84.4 75.64,4.47 v1(76.1,4.02)
  Bottom w0.25: v1(113.52,3.99) 112.89,3.99 111.3,2.4 77.72,2.4 v1(76.1,4.02)
Net-(LED84-DOUT): length 19.6
  Top w0.25: LED84.1 74.8,14.09 78.33,17.62 LED85.4
Net-(LED85-DOUT): length 111.7
  Top w0.25: v1(109.6,39.5) 103.98,39.5 102.47,41.01 102.47,52.89 112.08,62.5 124.7,62.5 128.54,66.34 129.63,66.34 131.29,64.68 131.29,58.07 132.5,56.86 135.62,56.86 ; v1(109.6,32.61) 109.6,18.89 107.47,16.76 LED85.1
  Bottom w0.25: v1(109.6,39.5) v1(109.6,32.61)
Net-(LED86-DOUT): length 4.7
  Top w0.25: LED86.1 140.03,57.7 LED87.4
Net-(LED87-DOUT): length 10.1
  Top w0.25: LED88.4 146.66,57.73 LED87.1
Net-(LED88-DOUT): length 3.6
  Top w0.25: 153.53,50.88 153.53,51.26 151.53,53.27 LED88.1
Net-(LED89-DOUT): length 5.1
  Top w0.25: LED90.4 157.68,47.15 154.78,50.03 154.38,50.03
Net-(LED91-DOUT): length 4.6
  Top w0.25: LED91.1 165.9,48.2 LED92.4
Net-(LED92-DOUT): length 4.2
  Top w0.25: LED92.1 170.13,44.17 172.82,41.48 LED93.4
Net-(LED93-DOUT): length 64.4
  Top w0.25: LED93.1 174.39,39.71 v1(175.08,39.71) ; v1(177.94,79.08) 178.19,79.33 LED94.4
  Bottom w0.25: v1(177.94,79.08) 179.6,77.42 193.16,77.42 193.8,76.78 193.8,58.43 v1(175.08,39.71)
Net-(LED94-DOUT): length 4.3
  Top w0.25: 179.72,80.17 182.81,80.17 183.68,79.31 LED95.4
Net-(LED95-DOUT): length 4.3
  Top w0.25: 184.54,80.17 187.62,80.17 LED96.4
Net-(LED96-DOUT): length 4.4
  Top w0.25: LED97.4 193.29,79.28 192.41,80.17 LED96.1
Net-(LED97-DOUT): length 4.3
  Top w0.25: LED98.4 197.28,80.14 194.16,80.14

## Copper pours and planes (outline as drawn; the poured copper is in the pictures)
GND on Top, Bottom: -4.32,184.48 226.81,184.48 226.97,-5.06 -4.03,-5.17 -4.29,184.48 -4.32,184.5

## Text on the board
B.Silkscreen: 5V+ / LED In / GND / LED Out / RAW LED IN | JLCJLCJLCJLC | Washington Metro PCB 2 / Created by: Steven Smethurst @funvill / Version:    2024-Mar-23 / github.com/funvill/washington-metro-pcb / blog.abluestar.com
